# Altium PCB MacropadPCB.PcbDoc
Units mm, origin at the board's own origin, x right, y up, seen from the top; angles counter-clockwise.
Board outline 83.85 x 149.85 mm, 2 copper layers (PRIMARY, SECONDARY), stack 1.27 mm thick; 61 components, 47 nets, 247 pads, 58 vias.
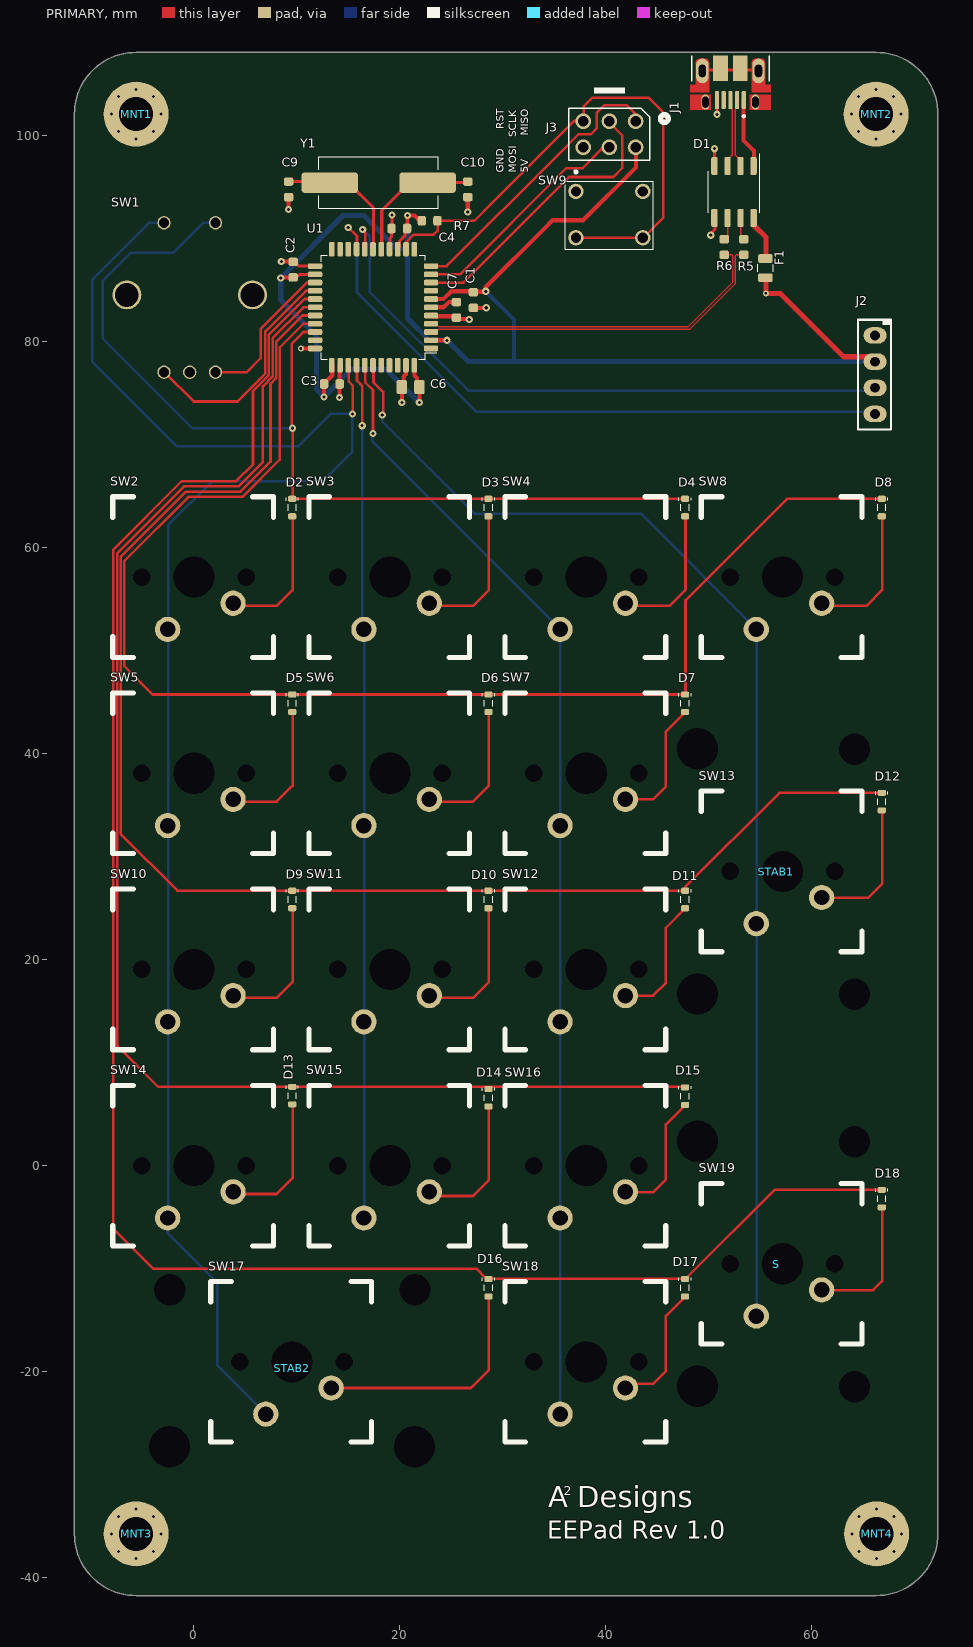
[diagram p0: PRIMARY view]
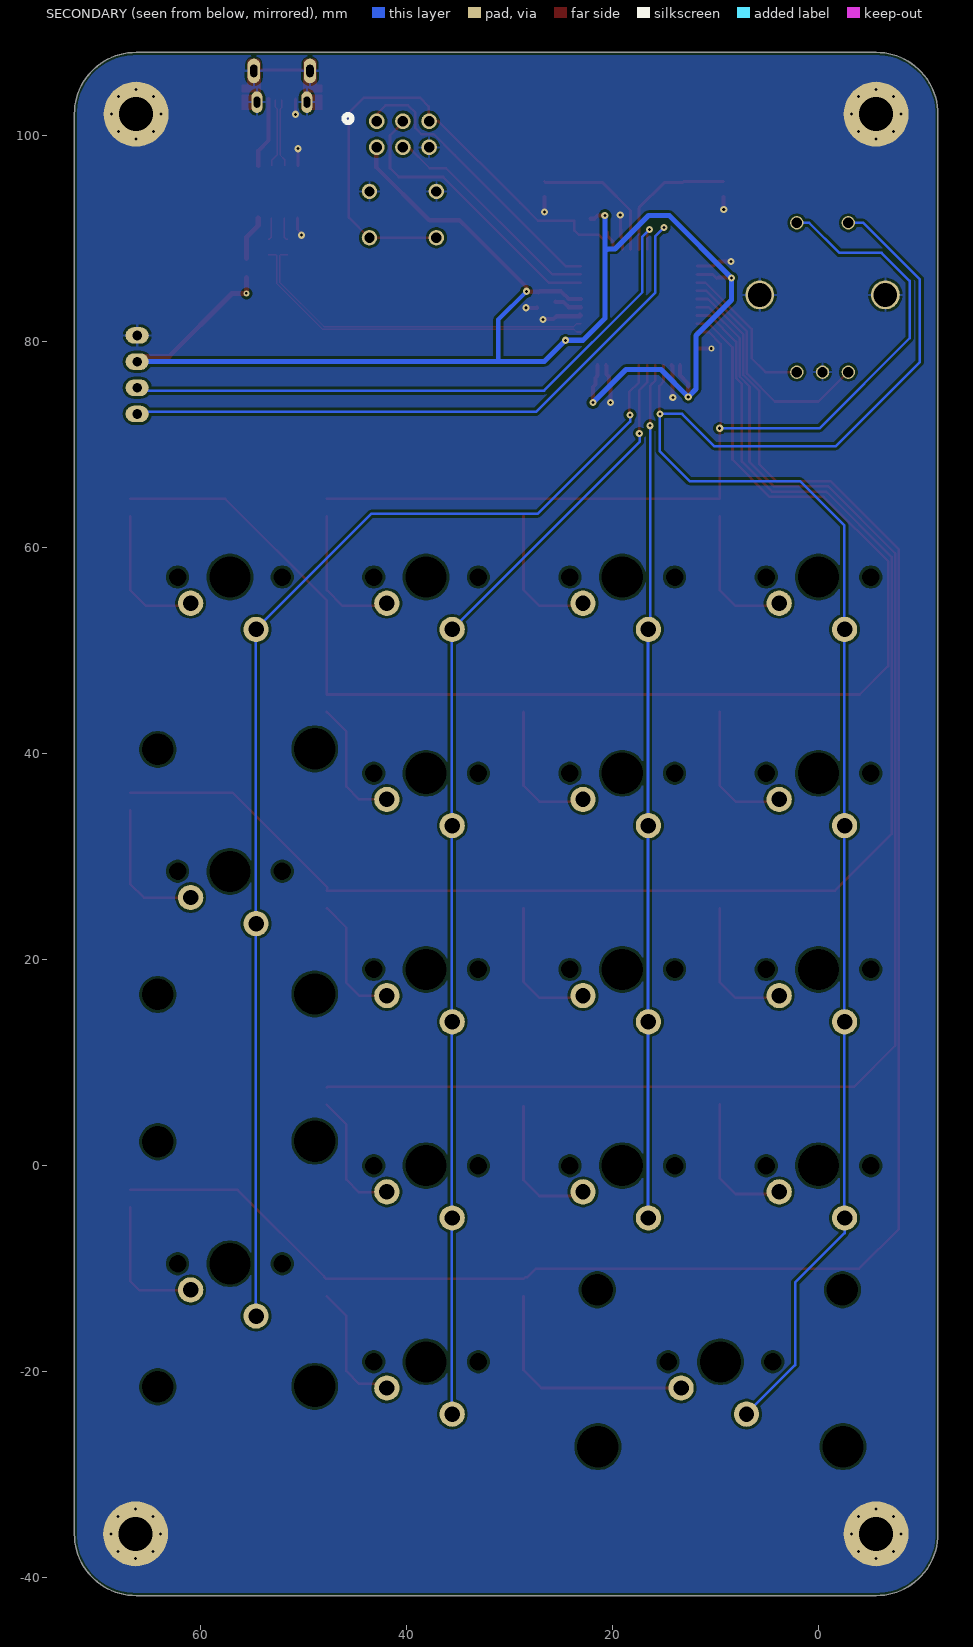
[diagram p1: SECONDARY view, seen from below]

## Layer stack, top to bottom
Top Solder: solder mask 0.01, SM-001, Dk 4
PRIMARY: signal copper 0.035
Dielectric 3: core 1.2, Core-039, Dk 4.8
SECONDARY: signal copper 0.035
Bottom Solder: solder mask 0.01, SM-001, Dk 4

## Board outline
-11.6,-35.75 -11.6,102.1 cw(c-5.6,102.1) -5.6,108.1 66.25,108.1 cw(c66.25,102.1) 72.25,102.1 72.25,-35.75 cw(c66.25,-35.75) 66.25,-41.75 -5.6,-41.75 cw(c-5.6,-35.75)

## Design rules (kind name [scope] priority, off if disabled: settings)
BoardOutlineClearance [All] p1: gap=0.25 ignorepadtopadclearanceinfootprint=FALSE
Clearance [All] p1: gap=0.254 ignorepadtopadclearanceinfootprint=TRUE except(0: Arc-Hole Track-Hole SMDPad-Hole THPad-Hole Via-Hole Fill-Hole Poly-Hole Region-Hole Text-Hole; 0.1: Arc-Arc Arc-Track Arc-SMDPad Track-Track Track-SMDPad)
DiffPairsRouting [InDifferentialPairClass('DIFF90')] p1: maxlimit=0.127 minlimit=0.127 mostfreqgap=0.127 toplayer_minwidth=0.12 toplayer_maxwidth=0.4 toplayer_prefwidth=0.15 bottomlayer_minwidth=0.12 bottomlayer_maxwidth=0.4 bottomlayer_prefwidth=0.15 maxuncoupledlength=12.7
HoleSize [All] p1: absolutevalues=TRUE maxlimit=6.3 minlimit=0.2 maxpercent=80.000 minpercent=20.000
MinimumSolderMaskSliver [All] p1: minsoldermaskwidth=0.15
PolygonConnect ViaNoThermalRelief [ISvIA] p1: connectstyle=Direct reliefconductorwidth=0.254 reliefentries=4 polygonreliefangle="90 Angle" airgapwidth=0.254
PolygonConnect "Thermal Relief" [All] p2: connectstyle=Relief reliefconductorwidth=0.254 reliefentries=4 polygonreliefangle="90 Angle" airgapwidth=0.254
RoutingVias [All] p1: holewidth=0.711 width=1.27 viastyle="Through Hole" minholewidth=0.711 minwidth=1.27 maxholewidth=0.711 maxwidth=1.27 useviatemplates=TRUE viatemplateguid#1={235F45B4-7591-42F1-84EB-0B300C5E6387} viatemplateguid#2={BA06C57D-5E67-4596-8B63-1150C5F9868E} viatemplateguid#3={166BA293-8BE2-43D3-8539-75C21F54759E} viatemplatename#1=via-200-500 viatemplatename#2=via-250-600 viatemplatename#3=via-300-700
SilkToSolderMaskClearance [IsPad] p1: minsilkscreentomaskgap=0.127 clearancetoexposedcopper=TRUE
SolderMaskExpansion [All] p1: expansion=0.075 istentingtop=FALSE
Width [All] p1: maxlimit=0.5 minlimit=0.1 preferedwidth=0.25
26 further rules are at their usual default settings.

## Classes and differential pairs
differential pair class DIFF90: USB USB_CONN USB_R
differential pair USB: +USB_P -USB_N
differential pair USB_R: +USB_R_P -USB_R_N
differential pair USB_CONN: +USB_CONN_P -USB_CONN_N

## Components (designator, comment, footprint, x,y, rotation, side; value= is the part's Value field where it differs from the comment)
C1 "0603YC105KAT2A" C_1608_0603 27.15,84.05 r90 top
C2 "0603YC105KAT2A" C_1608_0603 9.65,87 r270 top
C3 "0603YC104KAT2A" C_1608_0603 13.4,75.9 r180 top
C4 "0603YC104KAT2A" C_1608_0603 19.95,91 r0 top
C6 "0805YC106KAT2A" C_2012_0805 21.05,75.6 r0 top
C7 "0603YC105KAT2A" C_1608_0603 25.5,83.1 r90 top
C9 "06035A220JAT2A" C_1608_0603 9.2,94.8 r270 top
C10 "06035A220JAT2A" C_1608_0603 26.6,94.8 r270 top
D1 "USB6B1RL" SOIC_8_1270_4900X3900X1750_ST_SO-8 52.45,94.55 r180 top
D2 "1N4148X-TP" D_MCC_SOD-523 9.55,63.9 r270 top locked
D3 "1N4148X-TP" D_MCC_SOD-523 28.6,63.9 r270 top locked
D4 "1N4148X-TP" D_MCC_SOD-523 47.7,63.9 r270 top locked
D5 "1N4148X-TP" D_MCC_SOD-523 9.55,44.9 r270 top locked
D6 "1N4148X-TP" D_MCC_SOD-523 28.6,44.9 r270 top locked
D7 "1N4148X-TP" D_MCC_SOD-523 47.7,44.9 r270 top locked
D8 "1N4148X-TP" D_MCC_SOD-523 66.8,63.9 r270 top locked
D9 "1N4148X-TP" D_MCC_SOD-523 9.55,25.85 r270 top locked
D10 "1N4148X-TP" D_MCC_SOD-523 28.6,25.85 r270 top locked
D11 "1N4148X-TP" D_MCC_SOD-523 47.7,25.85 r270 top locked
D12 "1N4148X-TP" D_MCC_SOD-523 66.8,35.35 r270 top locked
D13 "1N4148X-TP" D_MCC_SOD-523 9.55,6.8 r270 top locked
D14 "1N4148X-TP" D_MCC_SOD-523 28.6,6.6 r270 top locked
D15 "1N4148X-TP" D_MCC_SOD-523 47.7,6.75 r270 top locked
D16 "1N4148X-TP" D_MCC_SOD-523 28.6,-11.85 r270 top locked
D17 "1N4148X-TP" D_MCC_SOD-523 47.7,-11.85 r270 top locked
D18 "1N4148X-TP" D_MCC_SOD-523 66.8,-3.2 r270 top locked
F1 "0ZCK0050FF2E" FUSE_2012_0805_BELFUSE 55.5,87.15 r270 top
J1 "10103594-0001LF" CONN_10103594-0001LF 52.1,106.3 r180 top
J2 "SSW-104-03-T-S" "SAMTEC SSW-104-03-T-S" 66.15,76.8 r270 top locked
J3 "67997-206HLF" CONN_2X3_HDR_2540 40.35,100.15 r180 top
MNT1 "M3 Mounting Hole" MH_M3_PTH_VIA-SPOKES -5.6,102.1 r0 top
MNT2 "M3 Mounting Hole" MH_M3_PTH_VIA-SPOKES 66.25,102.1 r0 top
MNT3 "M3 Mounting Hole" MH_M3_PTH_VIA-SPOKES -5.6,-35.75 r0 top
MNT4 "M3 Mounting Hole" MH_M3_PTH_VIA-SPOKES 66.3,-35.75 r0 top
R5 "RMCF0603FT22R0" R_1608_0603 53.4,89.2 r270 top
R6 "RMCF0603FT22R0" R_1608_0603 51.5,89.2 r270 top
R7 "RMCF0603FT4K70" R_1608_0603 22.9,91.75 r180 top
S "Cherry Stabiliser Hole" HOLE_CHERRY_STAB 57.15,-9.525 r270 top locked (schematic designator STAB3)
STAB1 "Cherry Stabiliser Hole" HOLE_CHERRY_STAB 57.15,28.575 r270 top locked
STAB2 "Cherry Stabiliser Hole" HOLE_CHERRY_STAB 9.525,-19.05 r0 top locked
SW1 "PEC12R-4220F-S0024" SW_ENCODER_PEC12R-4220F-S0024 -0.4,84.55 r0 top
SW2 "MX-Style Switch" SW_CHERRY-MX-STYLE 0,57.15 r0 top locked
SW3 "MX-Style Switch" SW_CHERRY-MX-STYLE 19.05,57.15 r0 top locked
SW4 "MX-Style Switch" SW_CHERRY-MX-STYLE 38.1,57.15 r0 top locked
SW5 "MX-Style Switch" SW_CHERRY-MX-STYLE 0,38.1 r0 top locked
SW6 "MX-Style Switch" SW_CHERRY-MX-STYLE 19.05,38.1 r0 top locked
SW7 "MX-Style Switch" SW_CHERRY-MX-STYLE 38.1,38.1 r0 top locked
SW8 "MX-Style Switch" SW_CHERRY-MX-STYLE 57.15,57.15 r0 top locked
SW9 "TS02-66-43-BK-260-SCR-D" TS02-66-43-BK-260-SCR-D 40.35,92.35 r0 top locked
SW10 "MX-Style Switch" SW_CHERRY-MX-STYLE 0,19.05 r0 top locked
SW11 "MX-Style Switch" SW_CHERRY-MX-STYLE 19.05,19.05 r0 top locked
SW12 "MX-Style Switch" SW_CHERRY-MX-STYLE 38.1,19.05 r0 top locked
SW13 "MX-Style Switch" SW_CHERRY-MX-STYLE 57.15,28.575 r0 top locked
SW14 "MX-Style Switch" SW_CHERRY-MX-STYLE 0,0 r0 top locked
SW15 "MX-Style Switch" SW_CHERRY-MX-STYLE 19.05,0 r0 top locked
SW16 "MX-Style Switch" SW_CHERRY-MX-STYLE 38.1,0 r0 top locked
SW17 "MX-Style Switch" SW_CHERRY-MX-STYLE 9.525,-19.05 r0 top locked
SW18 "MX-Style Switch" SW_CHERRY-MX-STYLE 38.1,-19.05 r0 top locked
SW19 "MX-Style Switch" SW_CHERRY-MX-STYLE 57.15,-9.525 r0 top locked
U1 "ATMEGA32U4-AU" QFP_44_800_1200X1200X120_ATMEL 17.4,83.35 r90 top locked
Y1 "830036034" Y_XTAL_HC49 17.95,95.45 r0 top

## Footprints (in the part's own frame and the unit in brackets; to place one, negate y for a bottom-side part, rotate by r counter-clockwise, add the part's x,y. Pads: shape width x height; smd on the part's side, far side on the other; paste and mask are expansions set on the pad)
C_1608_0603 [mm] "Capacitor, Chip; 1.60 mm L X 0.80 mm W X 0.90 mm H body"
  rrect49% 0.82x0.929 smd: 1(-0.755,0) 2(0.755,0)
  body extent -0.85,-0.45 0.85,0.45, height 0.9
C_2012_0805 [mm] "Capacitor, Chip; 2.00 mm L X 1.25 mm W X 1.35 mm H body"
  rrect39% 1.02x1.379 smd: 1(-0.855,0) 2(0.855,0)
  body extent -1.05,-0.67 1.05,0.67, height 1.35
CONN_2X3_HDR_2540 [mil]
  round 60 hole 40 mask+0: 1(-100,-50) 2(0,-50) 3(100,-50) 4(-100,50) 5(0,50) 6(100,50)
  silkscreen extent -225,-100 155,100, body extent -150,-95 150,95, height 330
CONN_10103594-0001LF [mm]
  rrect50% 0.4x1.75 smd: 1(-1.3,2.825) 2(-0.65,2.825) 3(0,2.825) 4(0.65,2.825) 5(1.3,2.825)
  oval 0.73x1.46 hole 0.65 slot 1.05 at 90 deg mask+0: 6(-2.425,3.03) 7(2.425,3.03)
  oval 1.2x2.4 hole 0.7 slot 1.2 at 90 deg: 8(-2.725,0) 9(2.725,0)
  oval 1.05x2.1 smd far side paste-2: 10(-2.425,3.03) 11(2.425,3.03)
  rect 1.425x2.5 smd: S1(-0.962,-0.25) S2(0.962,-0.25)
  PRIMARY region: 3.9,1.35 3.375,1.35 3.375,-0.8 3.374,-0.821 3.373,-0.842 3.37,-0.863 3.366,-0.883 3.361,-0.904 3.355,-0.924 3.348,-0.943 3.34,-0.963 3.331,-0.982 3.321,-1 3.31,-1.018 3.299,-1.035 3.286,-1.052 3.272,-1.068 3.258,-1.083 3.243,-1.097 3.227,-1.111 3.21,-1.124 3.193,-1.135 3.175,-1.146 3.157,-1.156 3.138,-1.165 3.118,-1.173 3.099,-1.18 3.079,-1.186 3.058,-1.191 3.038,-1.195 3.017,-1.198 2.996,-1.199 2.975,-1.2 2.475,-1.2 2.454,-1.199 2.433,-1.198 2.412,-1.195 2.392,-1.191 2.371,-1.186 2.351,-1.18 2.332,-1.173 2.312,-1.165 2.293,-1.156 2.275,-1.146 2.257,-1.135 2.24,-1.124 2.223,-1.111 2.207,-1.097 2.192,-1.083 2.178,-1.068 2.164,-1.052 2.151,-1.035 2.14,-1.018 2.129,-1 2.119,-0.982 2.11,-0.963 2.102,-0.943 2.095,-0.924 2.089,-0.904 2.084,-0.883 2.08,-0.863 2.077,-0.842 2.076,-0.821 2.075,-0.8 2.075,2.05 3.9,2.05
  PRIMARY region: -2.075,-0.8 -2.076,-0.821 -2.077,-0.842 -2.08,-0.863 -2.084,-0.883 -2.089,-0.904 -2.095,-0.924 -2.102,-0.943 -2.11,-0.963 -2.119,-0.982 -2.129,-1 -2.14,-1.018 -2.151,-1.035 -2.164,-1.052 -2.178,-1.068 -2.192,-1.083 -2.207,-1.097 -2.223,-1.111 -2.24,-1.124 -2.257,-1.135 -2.275,-1.146 -2.293,-1.156 -2.312,-1.165 -2.332,-1.173 -2.351,-1.18 -2.371,-1.186 -2.392,-1.191 -2.412,-1.195 -2.433,-1.198 -2.454,-1.199 -2.475,-1.2 -2.975,-1.2 -2.996,-1.199 -3.017,-1.198 -3.038,-1.195 -3.058,-1.191 -3.079,-1.186 -3.099,-1.18 -3.118,-1.173 -3.138,-1.165 -3.157,-1.156 -3.175,-1.146 -3.193,-1.135 -3.21,-1.124 -3.227,-1.111 -3.243,-1.097 -3.258,-1.083 -3.272,-1.068 -3.286,-1.052 -3.299,-1.035 -3.31,-1.018 -3.321,-1 -3.331,-0.982 -3.34,-0.963 -3.348,-0.943 -3.355,-0.924 -3.361,-0.904 -3.366,-0.883 -3.37,-0.863 -3.373,-0.842 -3.374,-0.821 -3.375,-0.8 -3.375,1.35 -3.9,1.35 -3.9,2.05 -2.075,2.05
  PRIMARY region: 3.9,2.3 1.9,2.3 1.9,3.76 3.9,3.76
  PRIMARY region: -1.9,2.3 -3.9,2.3 -3.9,3.76 -1.9,3.76
  silkscreen extent -3.75,-1.49 3.75,4.5, body extent -4.02,-2.85 4.02,3.18, height 2.9
D_MCC_SOD-523 [mm] "Diode, Small Outline Diode, Flat Lead (SODFL); 1.20 mm L X 0.80 mm W X 0.65 mm H body"
  rrect50% 0.6x0.8 smd: 1(-0.85,0) 2(0.85,0)
  silkscreen extent -0.96,-0.6 0.3,0.6, body extent -0.8,-0.4 0.8,0.4, height 0.65
FUSE_2012_0805_BELFUSE [mm] "Fuse, Chip; 2.15 mm L X 1.35 mm W X 1.80 mm H body"
  rrect47% 0.85x1.42 smd: 1(-0.935,0) 2(0.935,0)
  silkscreen extent -0.36,-0.75 0.36,0.75, body extent -1.07,-0.67 1.07,0.67, height 1.8
HOLE_CHERRY_STAB [mm]
  round 1 hole 4: MH(-11.9,-8.24) MH(11.9,-8.24)
  round 1 hole 3.05: MH(-11.85,7) MH(11.95,7)
MH_M3_PTH_VIA-SPOKES [mm] "Std M3 plated mounting hole w/ via spokes"
  round 6.3 hole 3.3: 1(0,0)
QFP_44_800_1200X1200X120_ATMEL [mm] "Quad Flat Pack (QFP), 0.80 mm pitch;  square, 11 pin X 11 pin, 10.00 mm L X 10.00 mm W X 1.20 mm H body"
  rrect50% 0.547x1.4 smd: 1(-4,-5.631) 2(-3.2,-5.631) 3(-2.4,-5.631) 4(-1.6,-5.631) 5(-0.8,-5.631) 6(0,-5.631) 7(0.8,-5.631) 8(1.6,-5.631) 9(2.4,-5.631) 10(3.2,-5.631) 11(4,-5.631) 23(4,5.631) 24(3.2,5.631) 25(2.4,5.631) 26(1.6,5.631) 27(0.8,5.631) 28(0,5.631) 29(-0.8,5.631) 30(-1.6,5.631) 31(-2.4,5.631) 32(-3.2,5.631) 33(-4,5.631)
  rrect50% 1.4x0.547 smd: 12(5.631,-4) 13(5.631,-3.2) 14(5.631,-2.4) 15(5.631,-1.6) 16(5.631,-0.8) 17(5.631,0) 18(5.631,0.8) 19(5.631,1.6) 20(5.631,2.4) 21(5.631,3.2) 22(5.631,4) 34(-5.631,4) 35(-5.631,3.2) 36(-5.631,2.4) 37(-5.631,1.6) 38(-5.631,0.8) 39(-5.631,0) 40(-5.631,-0.8) 41(-5.631,-1.6) 42(-5.631,-2.4) 43(-5.631,-3.2) 44(-5.631,-4)
  silkscreen extent -5.05,-6.2 5.05,5.05, body extent -6,-6 6,6, height 1.2
R_1608_0603 [mm] "Resistor, Chip; 1.60 mm L X 0.80 mm W X 0.55 mm H body"
  rrect49% 0.82x0.93 smd: 1(-0.755,0) 2(0.755,0)
  body extent -0.85,-0.45 0.85,0.45, height 0.55
"SAMTEC SSW-104-03-T-S" [mm]
  oval 1.6x2.25 hole 0.95: 1(-3.81,0) 2(-1.27,0) 3(1.27,0) 4(3.81,0)
  silkscreen extent -5.34,-1.65 5.34,1.55, body extent -5.33,-1.21 5.33,1.21, height 8.51
SOIC_8_1270_4900X3900X1750_ST_SO-8 [mm] "Small Outline IC (SOIC), 1.27 mm pitch; 8 pin, 4.90 mm L X 3.90 mm W X 1.75 mm H body"
  rrect50% 0.609x1.769 smd: 1(-1.905,-2.523) 2(-0.635,-2.523) 3(0.635,-2.523) 4(1.905,-2.523) 5(1.905,2.523) 6(0.635,2.523) 7(-0.635,2.523) 8(-1.905,2.523)
  silkscreen extent -2.5,-3.7 2.5,2, body extent -2.45,-3 2.45,3, height 1.75
SW_CHERRY-MX-STYLE [mil]
  round 96.46 hole 59: 1(150,-100) 2(-100,-200)
  round 0 hole 67: ""(-200,0) ""(200,0)
  round 60 hole 157: ""(0,0)
  silkscreen extent -310,-307 304,307, body extent -310,-307 304,307, height 600
SW_ENCODER_PEC12R-4220F-S0024 [mm]
  round 1.3 hole 1: 1(-2.5,7) 2(2.5,7) A(-2.5,-7.5) B(2.5,-7.5) C(0,-7.5)
  round 2.8 hole 2.3: MH1(-6.1,0) MH2(6.1,0)
  body extent -7,-7.6 7,7.15, height 20
TS02-66-43-BK-260-SCR-D [mm] "6 X 6 MM, 4.3 MM ACTUATOR HEIGHT"
  round 1.5 hole 1: 1(-3.25,2.25) 2(3.25,2.25) 3(-3.25,-2.25) 4(3.25,-2.25)
  silkscreen extent -4.29,-3.35 4.24,4.27, body extent -4,-3.05 3.9,2.95, height 4.3
Y_XTAL_HC49 [mm] "SMD Crystal; 11.40 mm L X 4.90 mm W X 4.30 mm H body"
  rrect31% 5.5x2 smd: 1(-4.75,0) 2(4.75,0)
  silkscreen extent -5.8,-2.5 5.8,2.5, body extent -6.6,-2.45 6.6,2.45, height 4.3

## Part data
C1 C2 C7: "CAP CER 1UF 16V X7R 0603", Capacitance="1 µF", Dielectric=X7R, manufacturer="KYOCERA AVX", Max Operating Temperature=125°C, Min Operating Temperature=-55°C, Package="0603 (1608 Metric)", Rating=-, Supplier Part Number 1=478-5010-1-ND, Tolerance=±10%, Voltage Rating=16V, componentlink1description=Datasheet, componentlink1url=https://datasheets.kyocera-avx.com/X7RDielectric.pdf, PN=0603YC105KAT2A, Supplier 1=Digi-Key
C3 C4: "CAP CER 0.1UF 16V X7R 0603", Capacitance="0.1 µF", Dielectric=X7R, manufacturer="KYOCERA AVX", Max Operating Temperature=125°C, Min Operating Temperature=-55°C, Package="0603 (1608 Metric)", Rating=-, Supplier Part Number 1=478-1239-1-ND, Tolerance=±10%, Voltage Rating=16V, componentlink1description=Datasheet, componentlink1url=https://datasheets.kyocera-avx.com/X7RDielectric.pdf, PN=0603YC104KAT2A, Supplier 1=Digi-Key
C6: "CAP MLCC 10UF 16V 0805", Capacitance="10 µF", Dielectric=X7R, manufacturer="KYOCERA AVX", Max Operating Temperature=125°C, Min Operating Temperature=-55°C, Package="0805 (2012 Metric)", Rating=-, Supplier Part Number 1=478-0805YC106KAT2ACT-ND, Tolerance=±10%, Voltage Rating=16V, componentlink1description=Datasheet, componentlink1url=https://datasheets.kyocera-avx.com/X7RDielectric.pdf, PN=0805YC106KAT2A, Supplier 1=Digi-Key
C9 C10: "CAP CER 22PF 50V C0G/NP0 0603", Capacitance="22 pF", Dielectric="C0G, NP0", manufacturer="KYOCERA AVX", Max Operating Temperature=125°C, Min Operating Temperature=-55°C, Rating=-, Supplier Part Number 1=478-1167-1-ND, Tolerance=±5%, Voltage Rating=50V, componentlink1description=Datasheet, componentlink1url=https://datasheets.kyocera-avx.com/C0GNP0-Dielectric.pdf, PN=06035A220JAT2A, Supplier 1=Digi-Key
D1: "TVS DIODE 5.25VWM 8-SO", manufacturer=STMicroelectronics, Max Operating Temperature="85°C (TA)", Min Operating Temperature=-40°C, Supplier Part Number 1=497-3281-1-ND, componentlink1description=Datasheet, componentlink1url=https://www.st.com/content/ccc/resource/technical/document/datasheet/3e/ec/b2/54/b2/76/47/90/CD00001361.pdf/files/CD00001361.pdf/jcr:content/translations/en.CD00001361.pdf, PN=USB6B1RL, Supplier 1=Digi-Key
D2 D3 D4 D5 D6 D7 D8 D9 D10 D11 D12 D13 D14 D15 D16 D17 D18: "DIODE GEN PURP 75V 150MA SOD523", manufacturer="Micro Commercial Co", Max Operating Temperature=150°C, Min Operating Temperature=-65°C, Package=SOD523, Supplier Part Number 1=1N4148XTPMSCT-ND, componentlink1description=Datasheet, componentlink1url=https://www.mccsemi.com/pdf/Products/1N4148X(SOD-523).PDF, PN=1N4148X-TP, Supplier 1=Digi-Key
F1: "PTC RESET FUSE 6V 500MA 0805", Current Rating="500 mA", manufacturer="Bel Fuse Inc.", Max Operating Temperature=85°C, Min Operating Temperature=-40°C, Package=0805, Supplier Part Number 1=507-1813-1-ND, componentlink1description=Datasheet, componentlink1url=https://www.belfuse.com/resources/datasheets/circuitprotection/ds-cp-0zck-series.pdf, PN=0ZCK0050FF2E, Response Time="100 ms", Supplier 1=Digi-Key
J1: "CONN RCPT USB2.0 MICRO B SMD R/A", manufacturer="Amphenol ICC (FCI)", Max Operating Temperature=80°C, Min Operating Temperature=-30°C, Package=None, Supplier Part Number 1=609-4050-1-ND, Availability=Unavailable, componentlink1description=Datasheet, componentlink1url=https://cdn.amphenol-cs.com/media/wysiwyg/files/drawing/10103594.pdf, Gender=Receptacle, MP=10103594-0001LF, Pin Count=5, PN=10103594-0001LF, price=None, Supplier 1=Digi-Key, System=Connector
J2: "CONN RCPT 4POS 0.1 TIN PCB", Current Rating (Amps)="5.7A per Contact", Insulation Color=Black, manufacturer="Samtec Inc.", Material Flammability Rating="UL94 V-0", Operating Temperature="-55°C ~ 105°C", Supplier Part Number 1=SSW-104-03-T-S-ND, ComponentLink2Description="DigiKey Link", ComponentLink2URL=http://digikey.com/product-detail/en/samtec-inc/SSW-104-03-T-S/SSW-104-03-T-S-ND/7874034, Connector Type=Receptacle, Contact Finish - Mating=Tin, Contact Finish - Post=Tin, Contact Type=Forked, Fastening Type=Push-Pull, LastUpdated="2022-06-21 15:08:52", Lifecycle Status=Active, Minimum Order=1, Mounting Type="Through Hole", Number of Positions=4, Number of Positions Loaded=All, Number of Rows=1, Packaging=Bulk, Part Number=SSW-104-03-T-S, Part Status=Active, price=0.83, Series=SSW, Style="Board to Board or Cable", Supplier 1=DigiKey, Termination=Solder
J3: "CONN HEADER VERT 6POS 2.54MM", manufacturer="Amphenol ICC (FCI)", Supplier Part Number 1=609-3234-ND, componentlink1description=Datasheet, componentlink1url=https://cdn.amphenol-cs.com/media/wysiwyg/files/drawing/67996.pdf, Gender=Header, Pin Count=6, PN=67997-206HLF, Supplier 1=Digi-Key, System=Connector
R5 R6: "RES 22 OHM 1% 1/10W 0603", manufacturer="Stackpole Electronics Inc", Max Operating Temperature=155°C, Min Operating Temperature=-55°C, Package=0603, Power Rating="0.1W, 1/10W", Resistance=22, Supplier Part Number 1=RMCF0603FT22R0CT-ND, Tolerance=±1%, componentlink1description=Datasheet, componentlink1url=https://www.seielect.com/catalog/sei-rmcf_rmcp.pdf, PN=RMCF0603FT22R0, Supplier 1=Digi-Key
R7: "RES 4.7K OHM 1% 1/10W 0603", manufacturer="Stackpole Electronics Inc", Max Operating Temperature=155°C, Min Operating Temperature=-55°C, Package=0603, Power Rating="0.1W, 1/10W", Resistance=4.7k, Supplier Part Number 1=RMCF0603FT4K70CT-ND, Tolerance=±1%, componentlink1description=Datasheet, componentlink1url=https://www.seielect.com/catalog/sei-rmcf_rmcp.pdf, PN=RMCF0603FT4K70, Supplier 1=Digi-Key
SW1: "ROTARY ENCODER MECHANICAL 24PPR", manufacturer="Bourns Inc.", componentlink1description=Datasheet, componentlink1url=https://www.bourns.com/docs/Product-Datasheets/PEC12R.pdf, PN=PEC12R-4220F-S0024
U1: "IC MCU 8BIT 32KB FLASH 44TQFP", manufacturer="Microchip Technology", Max Operating Temperature="85°C (TA)", Min Operating Temperature=-40°C, Package=44-TQFP, Supplier Part Number 1=ATMEGA32U4-AU-ND, componentlink1description=Datasheet, componentlink1url=https://ww1.microchip.com/downloads/en/DeviceDoc/Atmel-7766-8-bit-AVR-ATmega16U4-32U4_Datasheet.pdf, PN=ATMEGA32U4-AU, Supplier 1=Digi-Key
Y1: "WE-XTAL QUARTZ CRYSTAL 16.0 MHZ;", Frequency="16 MHz", Load Capacitance=16pF, manufacturer="Würth Elektronik", Package=HC-49/US, componentlink1description=Datasheet, componentlink1url=https://www.mouser.com/datasheet/2/445/830036034-2005457.pdf, PN=830036034, Precision=±50ppm
MNT1 MNT2 MNT3 MNT4: componentlink1description=Datasheet, Display Name="M3 MH", PN="M3 Mounting Hole"
S STAB1 STAB2: componentlink1description=Datasheet, PN="Cherry Stabiliser Hole"
SW2 SW3 SW4 SW5 SW6 SW7 SW8 SW10 SW11 SW12 SW13 SW14 SW15 SW16 SW17 SW18 SW19: componentlink1description=Datasheet, PN="MX-Style Switch"

## Via types
v1: diameter 0.6, hole 0.3, PRIMARY to SECONDARY, tented both sides, 32 vias
v2: diameter 0.7, hole 0.3, PRIMARY to SECONDARY, 24 vias
v3: diameter 0.6, hole 0.25, PRIMARY to SECONDARY, 2 vias

## Nets (pads, with @x,y where several pads share a name; then routed paths per layer and width w, separated by ;. In a path a pad name is that pad's centre, name@x,y a point inside that pad or via, vN(x,y) a via of type N, cw(c..) or ccw(c..) an arc to the next point about the centre after c; other vN are vias at no path point)
5V_RAW: D1.1 J1.1 | length 6.9
  PRIMARY w0.4: J1.1@53.388,103.575 53.388,99.556 54.398,98.545 D1.1@54.398,97.073
+5V0: C1.2 C2.2 C3.2 C4.2 C6.2 F1.2 J2.2 J3.4 R7.2 U1.2 U1.7 U1.14 U1.24 U1.34 U1.44 | length 165.9
  PRIMARY w0.3: C2.2@9.875,86.145 10.28,86.55 U1.24@11.812,86.55 ; U1.14@19.843,88.981 19.966,89.104 19.966,89.768 20.493,90.296 20.493,90.663 20.748,90.918 20.748,91 20.746,91.003 20.746,92.248 v2(20.743,92.25)
  PRIMARY w0.4: v2(8.443,86.2) 8.466,86.223 9.671,86.223 C2.2@9.693,86.245 ; v2(12.643,74.65) 12.646,74.653 12.646,75.901 12.65,75.904 12.65,75.959 13.443,76.752 U1.34@13.443,77.719 ; v2(20.743,92.25) 21.433,92.25 21.733,91.95 R7.2@22.138,91.95 ; U1.44@21.443,77.719 21.443,76.7 21.659,76.484 21.659,75.855 21.91,75.604 21.901,75.596 21.901,74.108 v2(21.893,74.1) ; U1.2@23.074,80.15 24.561,80.15 v2(24.57,80.142) ; U1.7@23.074,84.15 24.243,84.15 24.993,84.9 27.098,84.9 27.193,84.805 27.241,84.853 28.296,84.853 v2(28.343,84.9) 28.343,85.3 33.993,90.95 34.843,91.8 37.793,91.8 42.933,96.94 J3.4@42.933,98.9
  PRIMARY w0.5: F1.2@55.543,86.215 v3(55.543,84.7) 56.943,84.7 63.093,78.55 65.743,78.55 J2.2@66.193,78.1
  SECONDARY w0.4: v2(28.343,84.9) 31.093,82.15 31.093,78.1
  SECONDARY w0.5: v2(20.743,92.25) 20.743,89 20.743,88.75 ; v2(21.893,74.1) 18.693,77.3 15.293,77.3 v2(12.643,74.65) 11.893,75.4 11.893,80.6 8.443,84.05 v2(8.443,86.2) 14.493,92.25 16.493,92.25 19.743,89 20.493,89 20.743,88.75 ; J2.2@66.193,78.1 31.093,78.1 26.611,78.1 v2(24.57,80.142) 22.858,80.142 20.743,82.257 20.743,88.75
COL_0: SW1.1 SW2.2 SW5.2 SW10.2 SW14.2 SW17.2 U1.36 | length 166.9
  PRIMARY w0.25: U1.36@15.043,77.719 15.043,76.122 15.443,75.722 15.443,73.05 v2(15.393,73)
  SECONDARY w0.25: SW1.1@-2.857,91.55 -4.357,91.55 -9.85,86.057 -9.85,78.043 -1.657,69.85 10.1,69.85 13.25,73 v2(15.393,73) 15.393,69.35 12.493,66.45 1.75,66.45 -2.497,62.203 SW14.2@-2.497,-5.08 ; SW14.2 -2.54,-6.56 2.266,-11.366 2.266,-19.367 SW17.2@7.028,-24.13
COL_1: SW3.2 SW6.2 SW11.2 SW15.2 U1.37 | length 83.1
  PRIMARY w0.25: U1.37@15.843,77.719 15.843,76.231 16.172,75.902 16.172,75.898 16.343,75.727 v2(16.343,71.85)
  SECONDARY w0.25: v2(16.343,71.85) 16.343,52.308 16.329,52.294 16.553,52.07 16.553,33.02 16.553,13.97 SW15.2@16.553,-5.08
COL_2: SW4.2 SW7.2 SW12.2 SW16.2 SW18.2 U1.38 | length 109.3
  PRIMARY w0.25: U1.38@16.643,77.719 16.643,76.05 17.393,75.3 v2(17.393,71.1)
  SECONDARY w0.25: v2(17.393,71.1) 17.343,71.05 17.343,70.33 35.603,52.07 35.592,52.059 35.592,33.02 35.592,13.97 35.592,-5.08 35.592,-23.693 SW18.2@35.58,-23.704
COL_3: SW8.2 SW13.2 SW19.2 U1.39 | length 117.3
  PRIMARY w0.25: U1.39@17.443,77.719 17.443,76.05 18.374,75.119 18.374,72.981 v2(18.293,72.9)
  SECONDARY w0.25: v2(18.293,72.9) 18.293,72.25 27.236,63.307 43.416,63.307 54.653,52.07 54.638,52.055 54.638,-14.608 SW19.2@54.624,-14.623
ENC_A_MICRO: SW1.A U1.26 | length 22.7
  PRIMARY w0.25: SW1.A@-2.857,77.05 -2.828,77.021 -0.007,74.2 4.243,74.2 6.943,76.9 6.943,81 10.893,84.95 U1.26@11.812,84.95
ENC_B_MICRO: SW1.B U1.25 | length 14.9
  PRIMARY w0.25: SW1.B@2.143,77.05 5.143,77.05 6.493,78.4 6.493,81.25 10.993,85.75 U1.25@11.812,85.75
GND: C1.1 C2.1 C3.1 C4.1 C6.1 C7.1 C9.2 C10.2 D1.4 D1.5 J1.5 J1.6 J1.7 J1.8 J1.9 J1.10 J1.11 J1.S1 J1.S2 J2.1 J3.6 MNT1.1 MNT2.1 MNT3.1 MNT4.1 SW1.C SW1.MH1 SW1.MH2 SW9.1 SW9.2 U1.5 U1.15 U1.23 U1.33 U1.35 U1.43 | length 33.3
  PRIMARY w0.3: C2.1@9.775,87.755 10.18,87.35 U1.23@11.812,87.35 ; U1.15@19.043,88.981 19.043,90.05 19.193,90.2 19.193,90.955 19.241,91.003 19.241,92.298 v2(19.243,92.3) ; J1.9@49.362,106.4 J1.8@54.813,106.4 ; v2(50.193,90.35) 50.193,90.5 50.588,90.895 D1.5@50.588,92.027 ; D1.4 50.545,98.745 v2(50.55,98.75) ; v2(50.788,102.087) J1.5@50.788,103.575
  PRIMARY w0.4: v2(8.493,87.8) 9.648,87.8 C2.1@9.693,87.755 ; v2(9.193,92.85) 9.205,92.862 C9.2@9.205,94.049 ; v3(10.4,79.35) U1.33@11.812,79.35 ; v2(14.143,74.6) 14.16,74.617 14.16,76.9 14.171,76.911 14.171,77.647 U1.35@14.243,77.719 ; v2(20.193,74.1) 20.196,74.103 C6.1 20.343,75.747 20.343,76.6 20.571,76.828 20.571,77.647 U1.43@20.643,77.719 ; U1.5@23.147,82.623 23.074,82.55 23.148,82.477 25.457,82.477 25.726,82.207 26.686,82.207 v2(26.743,82.15) ; v2(26.593,92.6) 26.599,92.606 26.599,94.043 C10.2@26.605,94.049 ; C1.1@27.348,83.305 27.355,83.298 28.391,83.298 v2(28.393,83.3)
  other v1: -5.6,-38.15 66.3,-38.15 -7.297,-37.447 -3.903,-37.447 64.603,-37.447 67.997,-37.447 -8,-35.75 -3.2,-35.75 63.9,-35.75 68.7,-35.75 -7.297,-34.053 -3.903,-34.053 64.603,-34.053 67.997,-34.053 -5.6,-33.35 66.3,-33.35 -5.6,99.7 66.25,99.7 -7.297,100.403 -3.903,100.403 64.553,100.403 67.947,100.403 -8,102.1 -3.2,102.1 63.85,102.1 68.65,102.1 -7.297,103.797 -3.903,103.797 64.553,103.797 67.947,103.797 -5.6,104.5 66.25,104.5
I2C_SCL: J2.3 U1.18 | length 61.6
  PRIMARY w0.25: v2(16.393,90.9) 16.393,90.805 16.643,90.555 U1.18@16.643,88.981
  SECONDARY w0.25: v2(16.393,90.9) 17.093,90.2 17.093,84.807 26.65,75.25 65.883,75.25 J2.3@66.193,75.56
I2C_SDA: J2.4 U1.19 | length 64.4
  PRIMARY w0.25: v2(14.993,91.1) 15.843,90.25 U1.19@15.843,88.981
  SECONDARY w0.25: v2(14.993,91.1) 15.843,90.25 15.843,88.864 15.843,84.8 27.447,73.196 66.017,73.196 J2.4@66.193,73.02
MCU_RESET_n: J3.3 R7.1 SW9.3 SW9.4 U1.13 | length 52.9
  PRIMARY w0.25: U1.13@20.643,88.981 20.643,89.7 21.343,90.4 23.293,90.4 23.698,90.805 23.698,91.75 27.23,91.75 28.986,93.507 36.92,101.44 37.853,101.44 37.853,102.86 38.693,103.7 44.143,103.7 45.593,102.25 45.593,92.05 43.643,90.1 SW9.3@37.143,90.1
NetC7_2: C7.2 U1.6 | length 2.7
  PRIMARY w0.4: U1.6@23.074,83.35 24.243,83.35 24.765,83.872 25.515,83.872 C7.2@25.543,83.9
NetD1_8: D1.8 F1.1 | length 4.4
  PRIMARY w0.5: D1.8@54.398,92.027 54.398,91.295 55.543,90.15 F1.1@55.543,88.085
NetD2_2: D2.2 SW2.1 | length 13.6
  PRIMARY w0.25: SW2.1@3.853,54.61 4.113,54.35 8.043,54.35 9.593,55.9 D2.2@9.593,63.05
NetD3_2: D3.2 SW3.1 | length 13.3
  PRIMARY w0.25: SW3.1@23.163,54.35 27.093,54.35 28.643,55.9 D3.2@28.643,63.05
NetD4_2: D4.2 SW4.1 | length 13.3
  PRIMARY w0.25: SW4.1@42.263,54.35 46.193,54.35 47.743,55.9 D4.2@47.743,63.05
NetD5_2: D5.2 SW5.1 | length 13.3
  PRIMARY w0.25: SW5.1@4.113,35.35 8.043,35.35 9.593,36.9 D5.2@9.593,44.05
NetD6_2: D6.2 SW6.1 | length 13.3
  PRIMARY w0.25: SW6.1@23.163,35.35 27.093,35.35 28.643,36.9 D6.2@28.643,44.05
NetD7_2: D7.2 SW7.1 | length 12.4
  PRIMARY w0.25: SW7.1@41.953,35.56 44.603,35.56 45.843,36.8 45.843,42.15 D7.2@47.743,44.05
NetD8_2: D8.2 SW8.1 | length 13.3
  PRIMARY w0.25: SW8.1@61.363,54.35 65.293,54.35 66.843,55.9 D8.2@66.843,63.05
NetD9_2: D9.2 SW10.1 | length 13.3
  PRIMARY w0.25: SW10.1@4.113,16.3 8.043,16.3 9.593,17.85 D9.2@9.593,25
NetD10_2: D10.2 SW11.1 | length 13.3
  PRIMARY w0.25: SW11.1@23.163,16.3 27.093,16.3 28.643,17.85 D10.2@28.643,25
NetD11_2: D11.2 SW12.1 | length 12.4
  PRIMARY w0.25: SW12.1@41.953,16.51 44.603,16.51 45.843,17.75 45.843,23.1 D11.2@47.743,25
NetD12_2: D12.2 SW13.1 | length 13.6
  PRIMARY w0.25: SW13.1@60.974,26.017 65.505,26.017 66.843,27.355 D12.2@66.843,34.505
NetD13_2: D13.2 SW14.1 | length 13.3
  PRIMARY w0.25: SW14.1@4.113,-2.75 8.043,-2.75 9.593,-1.2 D13.2@9.593,5.95
NetD14_2: D14.2 SW15.1 | length 13.3
  PRIMARY w0.25: SW15.1@23.163,-2.95 27.093,-2.95 28.643,-1.4 D14.2@28.643,5.75
NetD15_2: D15.2 SW16.1 | length 12.4
  PRIMARY w0.25: SW16.1@41.953,-2.59 44.603,-2.59 45.843,-1.35 45.843,4 D15.2@47.743,5.9
NetD16_2: D16.2 SW17.1 | length 23.1
  PRIMARY w0.25: SW17.1@13.378,-21.59 26.903,-21.59 28.643,-19.85 D16.2@28.643,-12.7
NetD17_2: D17.2 SW18.1 | length 12.4
  PRIMARY w0.25: SW18.1@41.953,-21.19 44.603,-21.19 45.843,-19.95 45.843,-14.6 D17.2@47.743,-12.7
NetD18_2: D18.2 SW19.1 | length 13.4
  PRIMARY w0.25: SW19.1@60.974,-12.083 65.96,-12.083 66.843,-11.2 D18.2@66.843,-4.05
ROW_0: D2.1 D3.1 D4.1 SW1.2 U1.31 | length 97
  PRIMARY w0.25: U1.31@11.812,80.95 10.643,80.95 9.493,79.8 9.493,71.7 v2(9.593,71.6) 9.593,64.75 28.643,64.75 D4.1@47.743,64.75
  SECONDARY w0.25: SW1.2@2.143,91.55 0.893,91.55 -2.032,88.625 -6.137,88.625 -8.85,85.912 -8.85,80.343 -0.107,71.6 v2(9.593,71.6)
ROW_1: D5.1 D6.1 D7.1 D8.1 U1.30 | length 132.7
  PRIMARY w0.25: U1.30@11.812,81.75 10.643,81.75 8.343,79.45 8.343,76.32 8.343,68.55 4.739,64.946 -0.507,64.946 -6.757,58.696 -6.757,48.496 -4.011,45.75 9.593,45.75 28.643,45.75 47.743,45.75 47.743,54.893 57.6,64.75 D8.1@66.843,64.75
ROW_2: D9.1 D10.1 D11.1 D12.1 U1.29 | length 142.4
  PRIMARY w0.25: U1.29@11.812,82.55 10.543,82.55 7.993,80 7.993,76.465 7.443,75.915 7.443,68.363 4.53,65.45 -0.716,65.45 -0.766,65.4 -0.807,65.4 -7.107,59.1 -7.107,32.2 -1.607,26.7 9.593,26.7 28.643,26.7 D11.1@47.743,26.7 ; D11.1 47.7,27.05 56.855,36.205 D12.1@66.843,36.205
ROW_3: D13.1 D14.1 D15.1 U1.28 | length 140.3
  PRIMARY w0.25: U1.28@11.812,83.35 10.643,83.35 7.643,80.35 7.643,76.61 6.693,75.66 6.693,68.326 4.322,65.954 -0.966,65.954 -7.457,59.463 -7.457,11.65 -3.457,7.65 9.593,7.65 47.693,7.65 D15.1@47.743,7.6
ROW_4: D16.1 D17.1 D18.1 U1.27 | length 182.4
  PRIMARY w0.25: U1.27@11.812,84.15 10.743,84.15 7.293,80.7 7.293,76.755 5.743,75.205 5.743,68.088 4.113,66.458 -1.174,66.458 -7.807,59.826 -7.807,-6.15 -3.957,-10 27.443,-10 28.283,-10.84 28.483,-10.84 28.643,-11 47.743,-11 47.83,-11 48.003,-10.827 48.003,-10.74 56.393,-2.35 D18.1@66.843,-2.35
SPI_MISO: J3.1 U1.11 | length 28.2
  PRIMARY w0.25: U1.11@23.074,87.35 24.543,87.35 35.343,98.15 37.343,100.15 38.543,100.15 39.143,100.75 39.143,102.25 39.843,102.95 42.043,102.95 42.933,102.06 J3.1@42.933,101.44
SPI_MOSI: J3.5 U1.10 | length 22.4
  PRIMARY w0.25: U1.10@23.074,86.55 25.843,86.55 36.143,96.85 37.743,96.85 39.793,98.9 J3.5@40.393,98.9
SPI_SCLK: J3.2 U1.9 | length 28.2
  PRIMARY w0.25: U1.9@23.074,85.75 26.193,85.75 36.443,96 40.743,96 41.6,96.857 41.6,100.042 40.393,101.249 J3.2@40.393,101.44
USB_CONN_N: D1.2 J1.2 | length 6.7
  PRIMARY w0.15: J1.2 52.75,102.8 52.551,102.601 52.551,98.149 53.085,97.615 D1.2
USB_CONN_P: D1.3 J1.3 | length 6.7
  PRIMARY w0.15: D1.3 51.815,97.665 52.274,98.124 52.274,102.576 52.1,102.75 J1.3
USB_N: D1.7 R5.1 | length 2.3
  PRIMARY w0.131: D1.7@53.128,92.027 53.128,90.144 53.317,89.955 R5.1@53.443,89.955
USB_P: D1.6 R6.1 | length 2.3
  PRIMARY w0.131: R6.1@51.543,89.955 51.669,89.955 51.858,90.144 51.858,91.051 D1.6@51.858,92.027
USB_R_N: R5.2 U1.3 | length 35.1
  PRIMARY w0.15: U1.3 23.482,80.95 23.726,81.194 26.347,81.194 48.136,81.194 52.589,85.646 52.589,87.443 52.589,88.357 52.676,88.445 R5.2@53.443,88.445
USB_R_P: R6.2 U1.4 | length 34.6
  PRIMARY w0.15: U1.4 23.482,81.75 23.761,81.471 26.462,81.471 48.022,81.471 52.312,85.761 52.312,87.329 52.312,88.357 52.224,88.445 R6.2@51.543,88.445
XTAL1: C9.1 U1.17 Y1.1 | length 13.3
  PRIMARY w0.3: C9.1@9.205,95.559 13.1,95.559 13.205,95.454 14.989,95.454 17.443,93 U1.17@17.443,88.981
XTAL2: C10.1 U1.16 Y1.2 | length 13.3
  PRIMARY w0.3: U1.16@18.243,88.981 18.243,92.75 20.947,95.454 22.705,95.454 26.5,95.454 C10.1@26.605,95.559
pads on no net: J1.4 S.MH STAB1.MH STAB2.MH SW2. SW3. SW4. SW5. SW6. SW7. SW8. SW10. SW11. SW12. SW13. SW14. SW15. SW16. SW17. SW18. SW19. U1.1 U1.8 U1.12 U1.20 U1.21 U1.22 U1.32 U1.40 U1.41 U1.42

## Polygon pours and split planes (outlines as drawn)
GND on SECONDARY "GND_L02_P000" (solid, pour order 0): -11.6,108.1 -11.6,-41.75 72.25,-41.75 72.25,108.1

## Silkscreen, mask and mechanical layers (free items; w line width, h text height)
Top Overlay:
  rectangle: 38.85,104.1 41.85,104.7
  text "RST" at 30.387,100.624 h1.3 r90
  text "MISO" at 32.78,100 h1.3 r90
  text "SCLK" at 31.58,99.852 h1.3 r90
  text "GND" at 30.387,96.4 h1.3 r90
  text "MOSI" at 31.58,96.4 h1.3 r90
  text "5V" at 32.78,96.4 h1.3 r90
  text "2" at 35.9,-32.298 h1.5
  text "A Designs" at 34.4,-33.86 h3.5
  text "EEPad Rev 1.0" at 34.3,-36.827 h3
Mechanical 1:
  the board outline again, w0.254

## Text inside footprints (layer, text, board x,y; h text height)
J1: Mechanical 13 "PCB EDGE" at 47.6,107.8 h0.81 r180